# Altium PCB MCU023_MSP-EXP432E401Y.PcbDoc (part 2 of 4)
Units mil, origin at the board's own origin, x right, y up, seen from the top; angles counter-clockwise.
Board outline 2500 x 6850 mil, 4 copper layers (Top Layer, VCC Layer, GND Layer, Bottom Layer), stack 62.434 mil thick; 203 components, 183 nets, 939 pads, 602 vias.
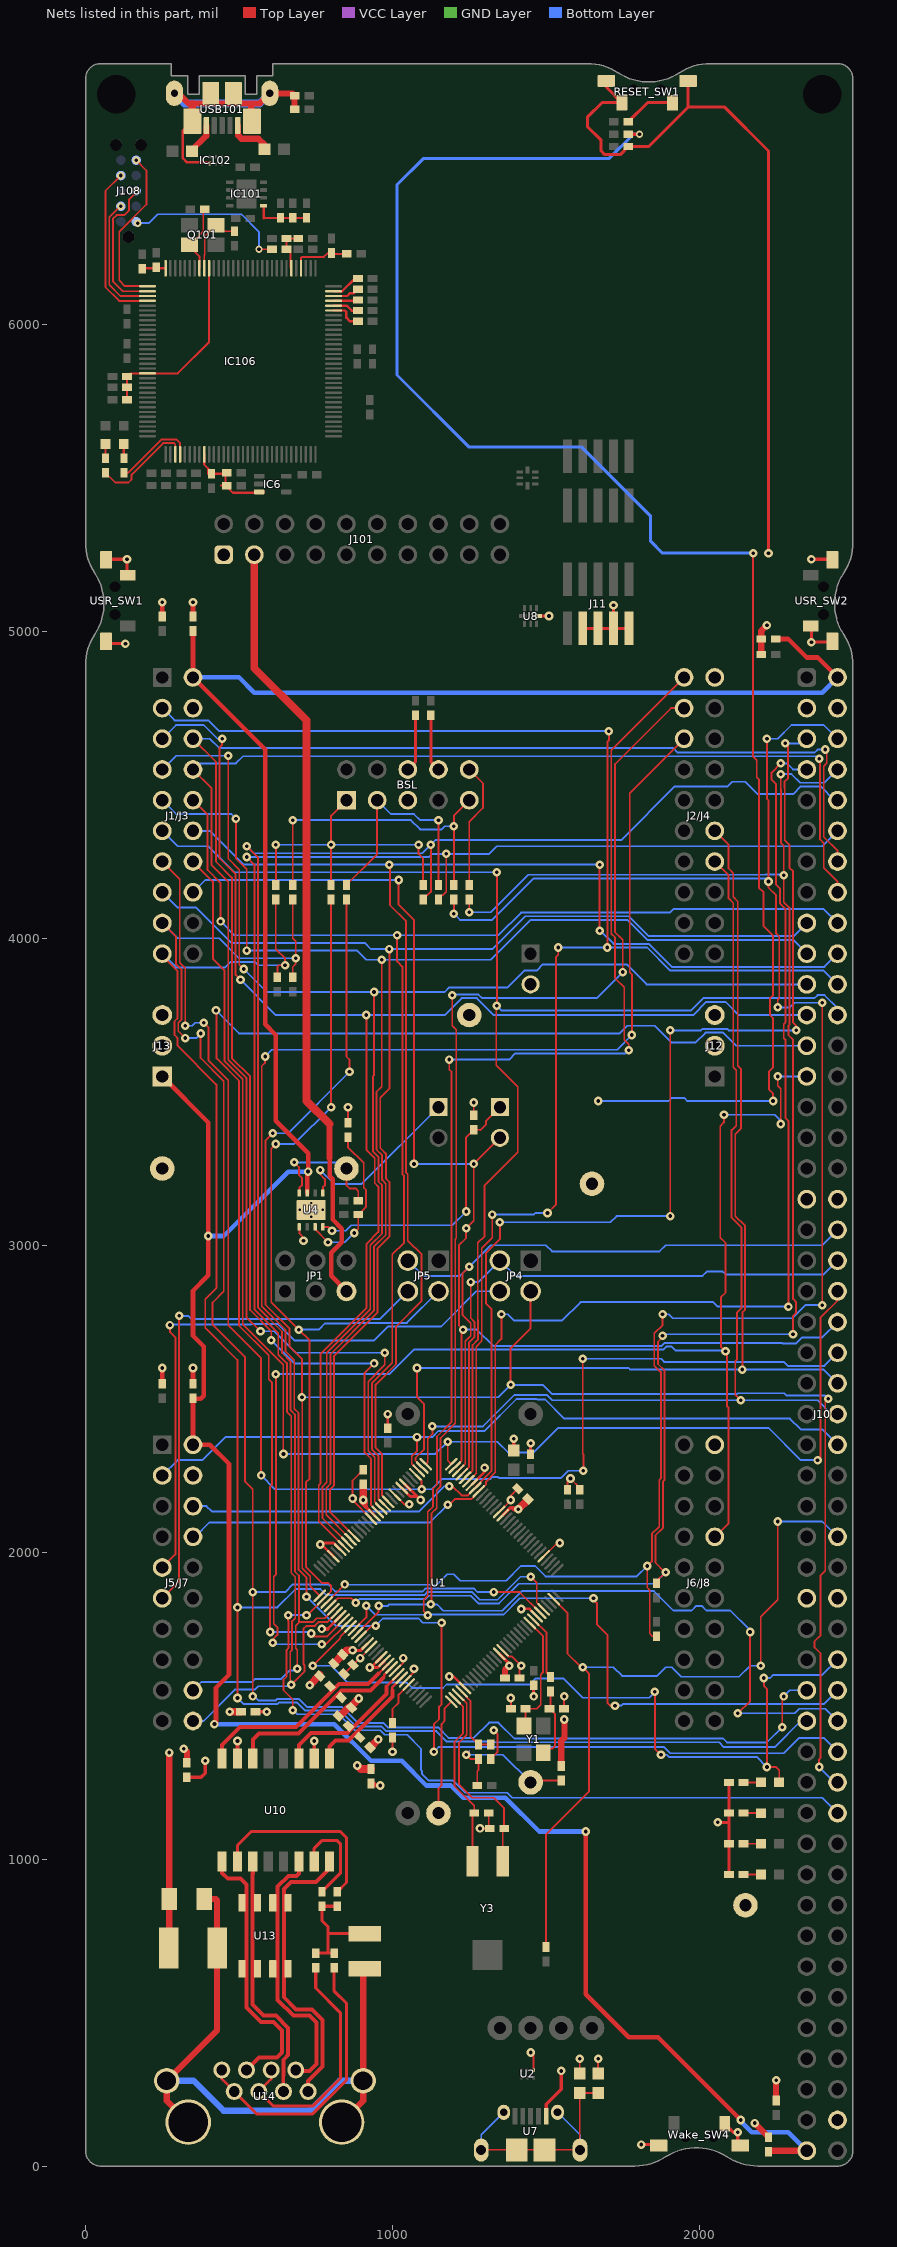
[diagram p4: the nets of this part, all layers, seen from the top]

## Via types
v1: diameter 28, hole 12, Top Layer to Bottom Layer, 442 vias
v2: diameter 24, hole 12, Top Layer to Bottom Layer, 86 vias
v3: diameter 28/28/28/28 (per signal layer), hole 12, Top Layer to Bottom Layer, 66 vias
v4: diameter 19.68, hole 7.87, Top Layer to Bottom Layer, 8 vias

## Nets (pads, with @x,y where several pads share a name; then routed paths per layer and width w, separated by ;. In a path a pad name is that pad's centre, name@x,y a point inside that pad or via, vN(x,y) a via of type N, cw(c..) or ccw(c..) an arc to the next point about the centre after c; other vN are vias at no path point) (continued)
+5V: C24.2 C26.2 C28.2 C30.2 J1/J3.21 J5/J7.21 J10.2 J10.97 J13.1 U4.7 | length 10078.3
  Top Layer w15: J13.1@250,3550 400,3400 v1(400,3030) 400,2902 350,2852 350,2705 385,2670 385,2510 375,2500 351.38,2500 C24.2@350,2501.38 J5/J7.21@350,2350 405,2350 467.5,2287.5 467.5,1600.28 425,1557.78 425,1516.39 425,1445 v1(420,1440) ; C26.2@350,5001.38 J1/J3.21@350,4850 585,4615.01 585,3720 620,3685 620,3405 725,3300 v1(725,3240) 722.2,3237.2 U4.7@722.2,3170.12 ; v1(1630,1090) 1630,560 1770,420 1865,420 v1(2135,150) ; C28.2@2248.62,4975 2290,4975 2350,4915 2385,4915 J10.2@2450,4850
  Top Layer w20: C30.2@2225,46.38 2228.62,50 J10.97@2350,50
  Bottom Layer w15: J1/J3.21@350,4850 500,4850 550,4800 2400,4800 J10.2@2450,4850 ; v1(400,3030) 450,3030 660,3240 v1(725,3240) ; v1(420,1440) 420.73,1439.27 810.73,1439.27 930,1320 1030,1320 1110,1240 1190,1240 1230,1200 1367.56,1200 1477.56,1090 v1(1630,1090) ; v1(2135,150) 2135,146.11 2171.11,110 2290,110 J10.97@2350,50
BP2_5: J5/J7.5 JP4.4 | length 1979.7
  Top Layer w6: J5/J7.5@250,1950 293,1993 293,2700 275,2718 v1(275,2740)
  Bottom Layer w6: v1(275,2740) 276.97,2741.97 540,2741.97 541.03,2743 627,2743 680,2690 940,2690 985,2735 1158.03,2735 1273.03,2850 JP4.4@1350,2850
BP2_6: J5/J7.6 JP5.4 | length 1729.2
  Top Layer w6: J5/J7.6@250,1850 305,1905 v1(305,2770)
  Bottom Layer w6: v1(305,2770) 335,2770 345,2760 960,2760 JP5.4@1050,2850
BSL_P1: BSL.1 R5.1 R7.1 R9.1 | length 1031.1
  Top Layer w6: R7.1@619.81,4173.62 620,4173.81 v1(620,4305) ; R5.1@800,4173.62 v1(800,4305) 800,4400 BSL.1@850,4450 ; v1(1085,4305) 1085,4275 1100,4260 R9.1@1100,4173.62
  Bottom Layer w6: v1(620,4305) v1(800,4305) v1(1085,4305)
BSL_P3: BSL.3 R6.1 R10.1 | length 756.1
  Top Layer w6: R6.1@850,4173.62 950,4273.62 BSL.3@950,4450 ; R10.1@1150,4173.62 v1(1150,4385)
  Bottom Layer w6: BSL.3@950,4450 995,4405 1070,4405 1090,4385 v1(1150,4385)
BSL_P9: BSL.9 R8.1 R11.1 | length 1050
  Top Layer w6: R8.1@675,4173.62 v1(675,4385) ; R11.1@1200,4173.62 v1(1200,4365) 1200,4400 BSL.9@1250,4450
  Bottom Layer w6: v1(675,4385) 1060,4385 1090,4355 1160,4355 1170,4365 v1(1200,4365)
BSL_P10: BSL.10 R12.1 | length 413.7
  Top Layer w6: R12.1@1250,4173.62 1250,4380 1295,4425 1295,4505 BSL.10@1250,4550
DEBUG_VBUS: J101.3 JP1.5 | length 2553.3
  Top Layer w15: 795,3285 795,3225 805,3215 805,3083.89 835,3053.89 835,3010 800,2975 800,2900 JP1.5@850,2850
  Top Layer w20: 795,3285 795,3395
  Top Layer w25: J101.3@550,5250 550,4880 720,4710 720,3470 795,3395
EN0RXI_N: R21.1 U1.53 U10.8 | length 694.7
  Top Layer w8: 955.22,1605 U1.53@985.75,1635.53 U1.53@985.53,1635.53
  Top Layer w13: U10.8@445,1327.52 445,1372.48 502.52,1430 685.86,1430 825.86,1570 920,1570 955,1605
EN0RXI_P: R22.1 U1.54 U10.6 | length 614.7
  Top Layer w8: 969.14,1591.04 972.5,1594.39 972.5,1600.01 U1.54@996.89,1624.4
  Top Layer w13: U10.6@545,1327.52 545,1390 565,1410 694.14,1410 834.14,1550 928.28,1550 969.14,1590.86
EN0TXO_N: R23.1 U1.56 U10.3 | length 478.7
  Top Layer w8: 980,1562.97 U1.56@1019.16,1602.12
  Top Layer w13: U10.3@695,1327.52 695,1372.48 734.19,1411.67 853.38,1411.67 980,1538.28 980,1562.97
EN0TXO_P: R24.1 U1.57 U10.1 | length 385.2
  Top Layer w8: 1000,1550 1000,1560.7 U1.57@1030.29,1590.99
  Top Layer w13: U10.1@795,1327.52 795,1366.5 815,1386.5 856.5,1386.5 1000,1530 1000,1550
EPHYRX_N: U10.9 U13.4 U13.5 U14.6 | length 890.2
  Top Layer w13: U10.9@445,992.48 445,955 463.32,936.68 504.69,936.68 524.37,917 524.37,517.35 571.72,470 611.72,470 640,441.72 640,370 623.05,353.05 564.43,353.05 U14.6@524.37,312.99
EPHYRX_P: U10.11 U13.3 U13.6 U14.3 | length 828.5
  Top Layer w13: U10.11@545,992.48 545,953.5 544.37,952.87 544.37,525.63 580,490 620,490 660,450 660,361.72 644.14,345.86 644.74,345.26 644.74,296.4 644.14,295.8 644.14,243.61 U14.3@644.84,242.91
EPHYTX_N: U10.14 U13.2 U13.7 U14.2 | length 865
  Top Layer w13: U14.2@685,312.99 687.99,310 730,310 752.5,332.5 752.5,467.5 730,490 677.72,490 626,541.72 626,910.28 660.72,945 687,945 695,953 U10.14@695,992.48
EPHYTX_P: U10.16 U13.1 U13.8 U14.1 | length 962
  Top Layer w13: U14.1@725.16,242.91 725.16,276.87 772.5,324.22 772.5,475.78 738.28,510 686,510 646,550 646,902 669,925 751,925 795,969 U10.16@795,992.48
GND: BSL.5 C3.1 C4.1 C14.2 C15.2 C16.1 C17.1 C18.2 C22.2 C23.1 C24.1 C25.1 C26.1 C27.1 C28.1 C29.1 C30.1 C31.2 C32.2 C40.1 C41.1 C42.1 C43.1 C44.2 C45.2 C46.1 C47.2 C48.2 J1/J3.22 J2/J4.20 J5/J7.22 J6/J8.20 J10.3 J10.4 J10.35 J10.36 J10.61 J10.62 J10.96 J11.3 J11.5 J11.7 J11.9 J12.2 J12.3 J13.2 J13.3 J101.1 R25.2 R26.1 R27.1 R30.1 R31.1 R33.1 R47.1 R50.1 R52.1 RESET_SW1.1 RESET_SW1.2 RESET_SW1.4 TP14.1 TP15.1 TP16.1 TP17.1 U1.10 U1.17 U1.48 U1.55 U1.58 U1.80 U1.114 U2.4 U4.1 U4.9 U7.5 U8.4 USR_SW1.1 USR_SW1.2 USR_SW1.3 USR_SW2.1 USR_SW2.2 USR_SW2.3 Wake_SW4.1 Wake_SW4.2 Wake_SW4.4 | length 6352.5
  Top Layer w6: U4.1@696.61,3059.88 696.61,3038.39 715,3020 v1(710,3015) ; C16.1@841.7,1603.3 843.3,1603.3 930.07,1690.07 U1.48@930.07,1691.21 ; R26.1@855,3398.62 v1(855,3450) ; C42.1@905,2268.62 870,2233.62 v1(870,2175) 870,2168.86 U1.17@930.07,2108.79 ; v1(1000,1350) R25.2@1000,1396.38 ; U1.55@1008.02,1613.26 1035,1640.24 v1(1035,1655) ; U1.10@1008.02,2186.74 1038.99,2155.77 v1(1055,2155.77) ; U1.58@1041.43,1579.85 1070,1608.42 v1(1070,1620) ; R50.1@1265,3423.62 v1(1265,3465) ; v1@1280,1100 v1(1285,1100) C47.2@1316.38,1100 1313.62,1102.76 C48.2@1313.62,1150 ; C3.1@1320,1326.38 1341.65,1348.03 1341.65,1408.35 v1(1330,1420) ; U1.114@1347.66,2131.06 1385,2168.41 1385,2183.41 C43.1@1408.3,2206.7 ; U1.80@1358.79,1680.07 1378.86,1660 1390,1660 v1(1420,1630) 1416.38,1626.38 1413.62,1626.38 C40.1@1413.62,1590 ; v1(1385,1525) 1385,1515 1386.38,1513.62 C44.2@1386.38,1490 ; v1(1450,370) 1459.69,360.31 U2.4@1459.69,311.81 ; C45.2@1558.62,1490 1558.62,1528.62 v1(1560,1530) ; C32.2@1610,301.5 v1(1610,350) ; R52.1@1670,301.5 v1(1670,350)
  Top Layer w10: USR_SW1.2@66.69,4967.13 73.82,4960 v1(130,4960) ; USR_SW1.1@66.69,5232.87 68.82,5235 v1(135,5235) 135,5185.24 USR_SW1.3@137.56,5182.68 ; C15.2@1395,2331.5 v1(1395,2370) ; C14.2@1450,2318.62 v1(1450,2355) ; v1(1460,1530) C4.1@1460,1566.38 ; U8.4@1475.59,5050 v3(1510,5050) ; J11.3@1620,5009.88 J11.5@1670,5009.88 J11.7@1720,5009.88 ; RESET_SW1.2@1697.13,6793.31 1697.13,6772.64 RESET_SW1.4@1747.32,6722.44 1682.44,6722.44 1635,6675 1635,6645 1680,6600 1680,6565 1691.81,6553.19 1741.81,6553.19 C46.1@1768.62,6580 1835,6580 1962.87,6707.87 ; v3(1720,5085) J11.7@1720,5009.88 ; J11.9@1770,5009.88 J11.7@1720,5009.88 ; v1(1810,70) 1863.82,70 Wake_SW4.1@1867.13,66.69 ; RESET_SW1.1@1962.87,6793.31 1962.87,6707.87 ; v1(2060,1120) 2096.38,1120 ; Wake_SW4.4@2082.68,137.56 2110.24,110 v1(2125,110) 2125,74.57 Wake_SW4.2@2132.87,66.69 ; R33.1@2096.38,950 R27.1@2096.38,1050 2096.38,1120 ; R30.1@2096.38,1250 R31.1@2096.38,1150 2096.38,1120 ; v1(2225,5255) 2225,6565 2082.13,6707.87 1962.87,6707.87 ; USR_SW2.3@2362.44,5017.32 2365,5014.76 v1(2365,4965) 2431.18,4965 USR_SW2.1@2433.31,4967.13 ; v1(2365,5235) 2431.18,5235 USR_SW2.2@2433.31,5232.87
  Top Layer w12: C17.1@553.62,1480 v1(590,1480) ; C18.2@940,1246.38 946.38,1240 v1(960,1240) ; U7.5@1501.18,162.4 1501.18,201.18 1550,250 v1(1550,310)
  Top Layer w15: C23.1@250,2548.62 v1(250,2600) ; C25.1@250,5048.62 v1(250,5095) ; C24.1@350,2548.62 v1(350,2600) ; C26.1@350,5048.62 v1(350,5095)
  Top Layer w20: C31.2@271.26,710 272.91,711.65 R47.1@272.91,870 v1(272.91,1347.09) ; v1(320,1360) 330,1350 C22.2@330,1313.62 ; v1(2180,140) 2225,95 C30.1@2225,93.62 ; C27.1@2201.38,4925 C28.1@2201.38,4975 2201.38,5001.38 v1(2220,5020) ; C29.1@2250,213.62 v1(2250,280)
  other v1: 895,1655 1385,2170
  other v4: 735,3092.36 697.6,3115 772.4,3115 735,3137.64
ITCK: IC106.100 J108.4 | length 539.9
  Top Layer w6: v2(115,6485) 65,6435 65,6120.95 109.1,6076.85 IC106.100@201.85,6076.85
ITDI: IC106.98 J108.8 | length 462.1
  Top Layer w6: v2@165,6430.75 142.13,6407.87 142.13,6372.13 126,6356 101.3,6356 89,6343.7 89,6141 121.66,6108.34 IC106.98@201.85,6108.34
  other v2: 165,6435
ITDO: IC106.97 J108.6 | length 540.8
  Top Layer w6: v2(165,6535) 198.61,6501.39 198.61,6391.26 110,6302.65 110,6143.38 128.38,6125 IC106.97@200.95,6125
ITMS: IC106.99 J108.2 | length 412.7
  Top Layer w6: v2(115,6385) 113.33,6385 77,6348.67 77,6128.88 113.28,6092.6 IC106.99@201.85,6092.6
MCU_3V3: C16.2 C17.2 C18.1 C22.1 C40.2 C41.2 C42.2 C43.2 JP2.2 R1.2 R2.2 R21.2 R22.2 R23.2 R24.2 R39.1 R41.1 R44.2 U1.7 U1.8 U1.16 U1.26 U1.28 U1.39 U1.47 U1.51 U1.52 U1.69 U1.79 U1.90 U1.101 U1.113 U1.122 U10.2 U10.7 | length 7354.5
  Top Layer w6: v1@768.88,2025 v1(765,2025) 770,2025 v1@775,2030 ; v1(870,1680) 870,1690 v1@880,1680 ; v1(925.68,1624.33) v1@930.01,1624.33 ; v1(1380,1630) v1@1380,1636.59 ; C43.2@1441.7,2171.7 C43.2@1441.7,2173.3 ; U1.101@1492.42,1986.3 1536.12,2030 v1(1545,2030) ; R1.2@1570,2203.62 1570,2230 v1(1580,2240) 1610,2210 R2.2@1610,2203.62 ; v1(2175,5255) 2175,4591.97 2187,4579.97 2187,4525 2194,4518 2194,4164.94 2209,4149.94 2209,4040 2240,4009 2240,3815 2230,3805 2230,3750 2240,3740 2240,3580 2227,3567 2227,3507 2240,3494 v1(2240,3470)
  Top Layer w8: R41.1@985,2403.62 v1(985,2450) ; U1.122@1258.57,2220.15 1300,2261.58 v1(1300,2275) ; v1(1420,1815) 1446.58,1815 U1.90@1470.15,1791.43
  Top Layer w10: v1@768.88,2025 U1.28@807.58,1986.3 ; v1@775,2030 808.42,2030 U1.26@829.85,2008.57 ; 788.42,1750 U1.39@829.85,1791.43 ; v1@880,1680 896.59,1680 U1.47@918.94,1702.34 ; 912.97,2148.17 U1.16@941.21,2119.93 ; U1.51@963.48,1657.8 930.01,1624.33 952.28,1624.33 U1.52@974.62,1646.67 ; U1.8@1030.29,2209.01 1058.13,2181.17 1080.4,2181.17 ; U1.7@1041.43,2220.15 1080.4,2181.17 ; v1@1095,2166.58 1080.4,2181.17 ; v1(1185,1595) 1198.88,1595 U1.69@1236.3,1557.58 ; U1.79@1347.66,1668.94 v1@1380,1636.59 ; U1.113@1358.79,2119.93 1383.86,2145 1390,2145
  Top Layer w12: C22.1@330,1266.38 376.38,1266.38 390,1280 v1(390,1320) ; U10.7@495,1327.52 v1(495,1385) ; U10.2@745,1327.52 v1(745,1385) ; v1(770,1750) 788.42,1750 ; R22.2@863.41,1493.3 R22.2@866.7,1496.59 ; R44.2@1768.62,6620 v2(1805,6620)
  Top Layer w15: v1@908.5,2160.77 908.5,2153.7 913.5,2148.7 ; 1394.28,2142.5 1396.78,2140 v1(1410,2140)
  Top Layer w20: C40.2@1366.38,1590 1366.38,1616.38 v1(1380,1630) ; R39.1@1550,1303.62 1550,1385 1560,1395 v1(1560,1455)
  Top Layer w25: v1(470,1480) C17.2@506.38,1480 ; v1(730,1566.7) R21.2@763.3,1600 ; C16.2@808.3,1636.7 C41.2@838.3,1666.7 851.59,1680 v1(870,1680) ; R23.2@823.3,1466.7 830,1466.7 856.59,1493.3 863.41,1493.3 R22.2@866.7,1493.3 866.7,1496.59 866.7,1500 v1(890,1523.3) ; v1(885,1305) 896.38,1293.62 C18.1@930,1293.62 ; C42.2@905,2221.38 905,2164.27 v1@908.5,2160.77 ; R24.2@926.7,1363.3 v1(953.41,1390) ; v1(1410,2140) C43.2@1441.7,2171.7
  GND Layer w8.66: v1@921.35,1620 v1(925.68,1624.33)
  Bottom Layer w6: v1(1670,3470) 1900,3470 1910,3480 1950,3480 1960,3470 v1(2240,3470)
  Bottom Layer w10: v2(1805,6620) 1785,6620 1705,6540 1100,6540 1015,6455 1015,5835 1250,5600 1617,5600 1840,5377 1840,5295 1880,5255 v1(2175,5255)
  other v1: 905,2170 1091.58,2170
NetBSL_6: BSL.6 R4.1 | length 186.7
  Top Layer w10: BSL.6@1050,4550 1075,4575 R4.1@1075,4726.38
NetBSL_8: BSL.8 R3.1 | length 186.7
  Top Layer w10: R3.1@1125,4726.38 1125,4575 BSL.8@1150,4550
NetC1_1: C1.1 R32.1 R43.1 R45.1 R46.1 | length 388.4
  Top Layer w10: R45.1@750,693.62 789.5,693.62 ; 792.41,757.09 C1.1@910,757.09 ; R46.1@810,693.62 789.5,693.62 ; R43.1@820,846.38 R32.1@770,846.38 770,800 789.5,780.5 789.5,693.62
NetC1_2: C1.2 C31.1 R47.2 U14.9 U14.10 U14.11 U14.12 | length 2108.3
  Top Layer w20: U14.12@334.61,142.91 264.53,212.99 U14.10@264.53,277.95 428.74,442.17 C31.1@428.74,710 428.74,865.75 424.49,870 R47.2@387.09,870 ; U14.11@834.61,142.91 904.68,212.99 U14.9@904.68,277.95 C1.2@904.68,637.6
  Bottom Layer w20: U14.10@264.53,277.95 352.05,277.95 450,180 730,180 827.95,277.95 U14.9@904.68,277.95
NetC3_2: C3.2 R38.1 U1.68 | length 235.5
  Top Layer w6: U1.68@1225.16,1546.45 1225.16,1544.84 1254,1516 1254,1399.62 R38.1@1280,1373.62 C3.2@1320,1373.62
NetC32_1: C32.1 R52.2 U7.6 U7.7 U7.8 U7.9 U7.10 U7.11 | length 872.2
  Top Layer w6: U7.8@1290,53.09 1610,53.09 C32.1@1610,238.5 R52.2@1670,238.5
  Bottom Layer w6: U7.8@1289.07,52.17 1289.07,101.87 U7.10@1362.4,175.2 ; U7.11@1537.6,175.2 1610.93,101.87 U7.9@1610.93,52.17
NetC44_1: C44.1 U1.88 Y1.3 | length 400.1
  Top Layer w6: Y1.3@1428.5,1433.31 1433.62,1438.43 C44.1@1433.62,1490 1470,1490 1483,1503 1483,1601.35 1490,1608.35 1490,1727.03 U1.88@1447.88,1769.16
NetC45_1: C45.1 R49.2 Y1.1 | length 233.7
  Top Layer w6: Y1.1@1491.5,1346.69 1504.8,1360 1520,1360 1530,1370 1530,1471.38 C45.1@1511.38,1490 1515,1493.62 R49.2@1515,1546.38
NetC47_1: C47.1 U1.67 Y3.2 | length 661.7
  Top Layer w6: U1.67@1214.03,1535.31 1242,1507.34 1242,1405.03 1217,1380.03 1217,1243 1260,1200 1330,1200 1363.62,1166.38 C47.1@1363.62,1100 ; Y3.2@1359.21,992.87 C47.1@1359.21,1095.59
NetC48_1: C48.1 U1.66 Y3.1 | length 575.2
  Top Layer w6: U1.66@1202.89,1524.18 1230,1497.07 1230,1410 1202,1382 1202,1238 1266.38,1173.62 C48.1@1266.38,1150 ; Y3.1@1260.79,992.87 C48.1@1260.79,1144.41
NetC102_1: C102.1 IC102.1 R132.2 USB101.6 USB101.7 USB101.8 USB101.9 USB101.10 USB101.11 | length 1147.3
  Top Layer w8: USB101.11@348.05,6662.36 317,6631.31 317,6588.22 316.81,6588.03 316.81,6542.16 330.97,6528 405.32,6528 IC102.1@405.32,6524.17
  Top Layer w20: USB101.10@289.49,6752.91 302.09,6752.91 335,6720 540,6720 ; USB101.6@540,6664.31 540,6720 ; R132.2@681.38,6701.1 C102.1@681.38,6745 673.46,6752.91 USB101.7@600.51,6752.91 567.6,6720 540,6720
  Top Layer w25: USB101.11@348.05,6662.36 348.05,6718.05
  Bottom Layer w25: USB101.10@289.49,6752.91 322.4,6720 567.6,6720 USB101.7@600.51,6752.91
NetC132_1: C132.1 C150.1 IC6.3 IC106.9 R118.1 | length 275.7
  Top Layer w7: IC106.9@386.89,5576.85 386.89,5543.11 400,5530 R118.1@400,5513.62 ; R118.1@410,5513.62 C132.1@455.5,5513.62 ; 441.38,5475 C150.1@444.98,5475 ; C150.1@455.5,5474.09 457.72,5474.09 480,5451.81 IC6.3@563.11,5451.81 ; C150.1@455.5,5476.94 C132.1@455.5,5513.62 ; C132.1@456.31,5513.62 C132.1@455.5,5513.62 ; IC6.3@578.12,5451.81 IC6.3@580.71,5454.41
NetC133_1: C133.1 IC106.88 Q101.1 | length 225.4
  Top Layer w6: IC106.88@386.89,6183.15 386.89,6225.75 388.44,6227.3 388.44,6287.35 Q101.1@422.04,6320.95 ; Q101.1@424.08,6322.99 Q101.1@422.04,6320.95 ; C133.1@485,6303.62 439.37,6303.62 Q101.1@422.04,6320.95
NetC134_1: C134.1 IC106.89 Q101.3 | length 227.6
  Top Layer w6: Q101.3@333.39,6260 371.14,6222.24 IC106.89@371.14,6183.15 ; Q101.3@340,6260 383.44,6303.44 383.44,6369.82 C134.1@388.62,6375
NetC143_1: C143.1 C144.1 C145.1 IC106.87 IC106.115 | length 629.8
  Top Layer w6: IC106.115@201.85,5840.63 300.63,5840.63
  Top Layer w7: C145.1@135,5755 C144.1@135,5795 C143.1@135,5830 145.63,5840.63 IC106.115@201.85,5840.63 ; 300.63,5840.63 402.64,5942.64 IC106.87@402.64,6183.15
NetC146_1: C146.1 IC106.68 R131.1 | length 173.3
  Top Layer w6: IC106.68@701.85,6183.15 701.85,6216.58 704.98,6219.71 775,6220 776.41,6220 788.98,6232.57 ; C146.1@803.76,6230 R131.1@850,6230
NetC147_2: C147.2 IC101.5 R133.1 R134.2 | length 178.7
  Top Layer w6: 580.12,6346.61 R133.1@718.86,6346.61
  Top Layer w8: 580.12,6346.61 IC101.5@580.12,6386.61
NetC159_1: C159.1 IC106.96 R166.2 | length 74.1
  Top Layer w7: R166.2@186.77,6183.15 IC106.96@260.91,6183.15
NetD1_2: D1.2 R33.2 | length 56.9
  Top Layer w6: R33.2@2143.62,950 D1.2@2200.47,950
NetD2_2: D2.2 R27.2 | length 56.9
  Top Layer w6: R27.2@2143.62,1050 D2.2@2200.47,1050
NetD3_2: D3.2 R31.2 | length 56.9
  Top Layer w6: R31.2@2143.62,1150 D3.2@2200.47,1150
NetD4_2: D4.2 R30.2 | length 56.9
  Top Layer w6: R30.2@2143.62,1250 D4.2@2200.47,1250
NetIC106_3: IC106.3 R123.2 | length 337.1
  Top Layer w6: R123.2@65,5516.85 96.85,5485 140,5485 150,5495 150,5510.74 252.67,5613.41 288.26,5613.41 292.4,5609.26 IC106.3@292.4,5576.85
NetIC106_4: IC106.4 R125.2 | length 269.7
  Top Layer w6: R125.2@125,5516.85 139.14,5516.85 247.69,5625.41 296.24,5625.41 308.15,5613.5 IC106.4@308.15,5576.85
NetIC106_59: IC106.59 R128.2 | length 104.7
  Top Layer w8: IC106.59@808.15,6045.35 844.65,6045.35 850,6040 850,6022.17 862.17,6010 R128.2@887.76,6010
NetIC106_60: IC106.60 R111.1 | length 86.3
  Top Layer w8: IC106.60@808.15,6061.1 851.06,6061.1 867.17,6045 R111.1@887.76,6045
NetIC106_61: IC106.61 R110.1 | length 76.5
  Top Layer w8: IC106.61@808.15,6076.85 R110.1@884.6,6076.85
NetIC106_62: IC106.62 R109.1 | length 88.9
  Top Layer w8: IC106.62@808.15,6092.6 852.79,6092.6 862.01,6101.81 874.57,6101.81 R109.1@887.76,6115
NetIC106_63: IC106.63 R108.1 | length 87
  Top Layer w8: IC106.63@808.15,6108.34 836.22,6108.34 R108.1@877.88,6150
NetIC106_70: IC106.70 R117.1 R120.2 R121.2 | length 141
  Top Layer w6: IC106.70@670.36,6183.15 668.01,6185.5 668.01,6231.99 R120.2@655,6245 R121.2@655,6280 R117.1@692.76,6280
NetJ108_10: J108.10 R120.1 | length 532.3
  Top Layer w6: v2(565,6245) R120.1@607.76,6245
  Bottom Layer w6: J108.10@170,6328.76 v2(170,6330) 206.2,6330 235.2,6359 508.57,6359 508.19,6358.62 565,6301.81 v2(565,6245)
NetJP6_1: JP6.1 U4.5 | length 591
  Top Layer w6: v1(765,3245) 765,3230.53 780,3215.53 780,3195 773.39,3188.39 U4.5@773.39,3170.12
  Bottom Layer w6: v1(765,3245) 810,3200 900,3200 JP6.1@1150,3450
NetJP7_1: JP7.1 R50.2 U4.4 | length 897.5
  Top Layer w6: U4.4@773.39,3059.88 790.12,3059.88 v1(802.91,3047.09) ; v1(1240,3110) 1240,3351.38 R50.2@1265,3376.38 1284.12,3376.38 1285.5,3375 1305,3394.5 1305,3405 JP7.1@1350,3450
  Bottom Layer w6: v1(802.91,3047.09) 847.09,3047.09 865,3065 1195,3065 v1(1240,3110)
NetLED101_1: LED101.1 R125.1 | length 46.4
  Top Layer w8: R125.1@125,5564.09 LED101.1@125,5610.47
NetLED102_1: LED102.1 R123.1 | length 46.4
  Top Layer w8: R123.1@65,5564.09 LED102.1@65,5610.47
NetR25_1: R25.1 U1.59 | length 146.9
  Top Layer w6: R25.1@1000,1443.62 1000,1490 1020,1510 1020,1536.15 U1.59@1052.56,1568.72
NetR26_2: R26.2 R35.1 U4.3 | length 516.9
  Top Layer w6: U4.3@747.8,3059.88 747.8,3052.2 v1(790,3010) ; R26.2@855,3351.38 855,3320 906.38,3268.62 906.38,3187.83 914.21,3180 914.21,3125.59 R35.1@888.62,3100 888.62,3053.62 v1(875,3040)
  Bottom Layer w6: v1(790,3010) 845,3010 v1(875,3040)
NetR32_2: R32.2 U10.15 | length 323.2
  Top Layer w10: U10.15@745,992.48 745,1035 770,1060 820,1060 830,1050 830,953.62 R32.2@770,893.62
NetR36_1: R36.1 TP8.1 U4.8 | length 424.7
  Top Layer w6: v1(680,3270) 695,3255 695,3230 705,3220 705,3195 696.61,3186.61 U4.8@696.61,3170.12 ; TP8.1@850,3250 850,3195 860,3185 880,3185 888.62,3176.38 R36.1@888.62,3145
  Bottom Layer w6: v1(680,3270) 830,3270 TP8.1@850,3250
NetR38_2: R38.2 R39.2 R42.2 TP11.1 | length 511.6
  Top Layer w6: v1@1250,1344.76 1245.24,1340 v1(1240,1340) 1253.62,1326.38 R38.2@1280,1326.38 1280,1290 1276.38,1286.38 R42.2@1276.38,1240 ; TP11.1@1450,1250 1456.38,1256.38 R39.2@1550,1256.38
  VCC Layer w6: v1(1240,1340) 1240,1342 1250,1352
  Bottom Layer w6: v1(1240,1340) 1360,1340 TP11.1@1450,1250
NetR43_2: R43.2 U10.10 | length 623.2
  Top Layer w10: U10.10@495,992.48 495,1045 540,1090 830,1090 850,1070 850,923.62 R43.2@820,893.62
NetR45_2: R45.2 U14.4 U14.5 | length 803.8
  Top Layer w8.66: U14.5@564.53,242.91 604.68,283.07 U14.4@604.68,312.99
  Top Layer w10: U14.5@564.53,242.91 612.44,195 740,195 830,285 830,500 750,580 R45.2@750,646.38
NetR46_2: R46.2 U14.7 U14.8 | length 911.2
  Top Layer w8.66: U14.8@444.06,312.99 444.06,283.07 U14.7@484.21,242.91
  Top Layer w10: U14.7@484.21,242.91 557.13,170 740,170 850,280 850,530 810,570 R46.2@810,646.38
NetR49_1: R49.1 U1.89 | length 209.9
  Top Layer w6: U1.89@1459.01,1780.29 1502,1737.3 1502,1606.62 R49.1@1515,1593.62
NetR51_1: R51.1 RESET_SW1.3 | length 169.9
  Top Layer w10: R51.1@1768.62,6660 1831.06,6722.44 RESET_SW1.3@1912.68,6722.44
NetR101_1: R101.1 USB101.5 | length 132.2
  Top Layer w20: USB101.5@496.18,6648.19 496.91,6647.46 496.91,6615.59 507.48,6605.02 563.48,6605.02 R101.1@583.5,6585
NetR102_1: R102.1 USB101.1 | length 105.8
  Top Layer w20: R102.1@343.05,6565 390.92,6613.42 393.82,6613.42 USB101.1@393.82,6648.19
NetTP9_1: TP9.1 U1.65 | length 380.3
  Top Layer w6: TP9.1@1150,1150 1150,1230 1160,1240 1160,1440 1169.36,1449.36 1169.36,1490.64 U1.65@1191.76,1513.04
PA0: J10.74 JP4.2 R6.2 U1.33 | length 5882.7
  Top Layer w6: v1(610,3365) 586,3341 586,2806.88 664,2728.88 664,2671 705,2630 705,2510 706,2509 706,1947.03 732,1921.03 732,1889.28 U1.33@763.04,1858.24 ; R6.2@850,4126.38 850,3615 860,3605 v1(860,3565) ; v1(1385,2545) 1385,2665 1450,2730 JP4.2@1450,2850 ; v1(2390,1300) 2390,1325 2395,1330 2395,1670 2375,1690 2375,1710 2395,1730 2395,1925 2410,1940 2410,2490 v1(2420,2500) ; J10.74@2440,1250 J10.74@2450,1250
  Bottom Layer w6: v1(610,3365) 660,3365 v1(860,3565) ; v1(705,2505) 1345,2505 v1(1385,2545) 1490,2545 1520,2515 2122.47,2515 2125.47,2518 2277,2518 2285,2510 2410,2510 v1(2420,2500) ; v1(2390,1300) J10.74@2440,1250
PA1: J10.76 JP5.2 R5.2 U1.34 | length 5443.4
  Top Layer w6: v1(620,3330) 605,3315 605,2815 v1(695,2725) 730,2690 730,2239.7 718,2227.7 718,1952 770,1900 790,1900 800,1890 800,1872.93 U1.34@774.18,1847.11 722.07,1795 v1(720,1795) ; v1(660,1795) 660,1776.91 661,1775.91 661,1687.06 655,1681.06 655,1595 645,1585 645,1550 675,1520 v1(675,1485) ; v1(800,3450) R5.2@800,4126.38
  Bottom Layer w6: v1(620,3330) 680,3330 v1(800,3450) ; v1(660,1795) v1(720,1795) ; v1(675,1485) 675,1480 682,1480 690,1472 824.97,1472 876.97,1420 960,1420 975,1405 1047.53,1405 1093,1359.53 1093,1290.41 1096.33,1287.07 1096.33,1277 1116.83,1256.5 1196.83,1256.5 1236.83,1216.5 1374.39,1216.5 1390.89,1200 2400,1200 J10.76@2450,1150 ; v1(695,2725) 760,2725 780,2745 863.94,2745 865.94,2747 1047,2747 JP5.2@1150,2850
PA2: J10.6 R11.2 R20.2 U1.35 | length 6228.3
  Top Layer w6: U1.35@785.31,1835.97 829.34,1880 ; 830,1880 829.34,1880 ; v1(845,1895) 844.34,1895 829.34,1880 ; v1(1200,4080) R11.2@1200,4126.38 ; R20.2@1860,1726.38 1846.97,1726.38 1838.35,1735 1838.35,1876.65 1830,1885 v1(1830,1955) 1845,1970 1845,2059.5 1869,2083.5 1869,2234.91 1874.49,2240.4 1874.49,2586.57 1853,2608.06 1853,2713 1880,2740 v1(1880,2775) ; v1(2220,4650) 2220,4455 2225,4450 v1(2225,4185) 2225,4165 2250,4140 2250,4015.97 2260,4005.97 2260,3805 2255,3800 v1(2255,3775) ; v1(2400,2805) v1(2400,3790)
  Bottom Layer w6: v1(845,1895) 846,1894 1144,1894 1178,1928 1199.53,1928 1220.53,1907 1370.18,1907 1418.18,1955 1464.5,1955 1498.5,1921 1796,1921 v1(1830,1955) ; v1(1200,4080) 1220,4060 1325,4060 1460,4195 2215,4195 v1(2225,4185) ; v1(1880,2775) 1900,2775 1913,2762 2302,2762 2345,2805 v1(2400,2805) ; v1(2220,4650) 2255,4650 2300,4695 2405,4695 J10.6@2450,4650 ; v1(2255,3775) 2295,3775 2310,3790 v1(2400,3790)
PA3: J10.8 R12.2 R19.2 U1.36 | length 5646.8
  Top Layer w6: U1.36@796.45,1824.84 821.61,1850 865,1850 v1(880,1835) ; v1(1250,4085) R12.2@1250,4126.38 ; R19.2@1860,1898.62 1860,1905 v1(1890,1935) 1887.47,1935 1857,1965.47 1857,2054.53 1881,2078.53 1881,2229.94 1886.49,2235.43 1886.49,2591.54 1865,2613.03 1865,2685 1880,2700 v1(1880,2705) ; v1(2265,4535) 2265,4485.5 2266,4484.5 2266,4310 2275,4301 v1(2275,4205) 2275,4118 2293,4100 2293,3720.03 2294.01,3719.01 2290,3715 2290,3685 2305,3670 2305,2825 2315,2815 2315,2780 2305,2770 v1(2305,2710)
  Bottom Layer w6: v1(880,1835) 893,1848 1108,1848 1118,1858 1255,1858 1280,1833 1347.09,1833 1411.09,1897 1852,1897 v1(1890,1935) ; v1(1250,4085) 1320,4085 1442,4207 2214.47,4207 2215.47,4208 2272,4208 v1(2275,4205) ; v1(1880,2705) 1885,2705 1890,2710 v1(2305,2710) ; v1(2265,4535) 2300,4535 2328,4507 2407,4507 J10.8@2450,4550
PA4: J5/J7.29 J10.10 R9.2 U1.37 | length 5524.8
  Top Layer w6: v1(525,4300) 562,4263 562,2796.94 640,2718.94 640,2648.94 668,2620.94 668,2462.5 682,2448.5 682,1937.09 695,1924.09 695,1770 ; v1(690,1620) 690,1682.06 685,1687.06 685,1760 695,1770 ; U1.37@807.58,1813.7 778.88,1785 753,1785 740,1772 697,1772 695,1770 ; R9.2@1100,4126.38 1125,4151.38 v1(1125,4305)
  Bottom Layer w6: J5/J7.29@350,1550 377,1577 517.53,1577 543.06,1577 553.06,1587 637.5,1587 665.5,1615 690,1615 v1(690,1620) ; v1(525,4300) 548,4277 1097,4277 v1(1125,4305) 1140,4320 1745,4320 1920,4495 2092.5,4495 2107.5,4510 2150,4510 2190,4470 2305,4470 2330,4495 2395,4495 2440,4450 J10.10@2450,4450
PA5: J5/J7.30 J10.12 R10.2 U1.38 | length 5591.1
  Top Layer w6: v1(525,4265) 550,4240 550,2791.97 628,2713.97 628,2643.97 656,2615.97 656,2457.53 670,2443.53 670,1932.12 683,1919.12 683,1785.47 673,1775.47 673,1682.09 667,1676.09 667,1571 v1(670,1568) 670.53,1568 713,1610.47 713,1632 710,1635 710,1750 720,1760 747.47,1760 760.47,1773 789.15,1773 U1.38@818.72,1802.56 ; R10.2@1150,4126.38 1175,4151.38 v1(1175,4275)
  Bottom Layer w6: J5/J7.30@350,1450 385,1450 488,1553 553,1553 563,1563 663,1563 v1@670,1570 ; v1(525,4265) 1120,4265 1130,4275 v1(1175,4275) 1315,4275 1340,4300 2400,4300 J10.12@2450,4350
PA6: J10.25 U1.40 | length 4392.9
  Top Layer w6: v1(425,3765) 427,3763 427,3608.91 500,3535.91 500,2738.03 597,2641.03 597,2563 608,2552 608,2220 601,2213 601,1741 v1(602,1740) ; v1(735,1735) 745,1725 785.7,1725 U1.40@840.99,1780.29
  Bottom Layer w6: v1(425,3765) 500,3690 1740,3690 1765,3715 1855,3715 1910,3660 1987,3660 2020,3693 2077,3693 2120,3650 J10.25@2350,3650 ; v1(602,1740) 730,1740 v1(735,1735)
PA7: J6/J8.17 J10.27 U1.41 | length 4568.3
  Top Layer w6: v1(610,1705) 610,1715.47 625,1730.47 625,1755 613,1767 613,1920 620,1927 v1(620,2580) ; v1(770,1700) 782.97,1700 U1.41@852.12,1769.16 ; J6/J8.17@2050,2050 2095,2095 2095,2470 2090,2475 2090,2640 2080,2650 v1(2085,2655) 2070,2670 2070,2830 2085,2845 2085,3008.03 2068,3025.03 2068,3388 2080,3400 v1(2080,3425) ; v1(2255,3550) 2255,3520 2265,3510 v1(2265,3395)
  Bottom Layer w6: v1(610,1705) 615,1700 v1(770,1700) ; v1(620,2580) 990,2580 1070,2660 1882.47,2660 1892.47,2670 1910,2670 1923,2657 2083,2657 v1(2085,2655) ; v1(2080,3425) 2245,3425 2275,3395 v1(2265,3395) ; v1(2255,3550) J10.27@2350,3550
PB0: J10.58 R18.1 U1.95 | length 2581.2
  Top Layer w6: R18.1@1500,713.62 1500,1080 1640,1220 1640,1605 v1(1620,1625) 1615,1625 1570,1670 1570,1802.93 U1.95@1525.82,1847.11 ; v1(2200,1630) 2200,1790 2255,1845 v1(2255,2100)
  Bottom Layer w6: v1(1620,1625) 1720,1625 1748,1597 1862,1597 1890,1625 1910.03,1625 1941.09,1593.94 2128.94,1593.94 2165,1630 v1(2200,1630) ; v1(2255,2100) 2400,2100 J10.58@2450,2050
PB2: J1/J3.9 J10.67 R8.2 R14.1 U1.91 | length 6511.8
  Top Layer w6: J1/J3.9@250,4050 295,4005 295,3915.03 313,3897.03 313,3736 302,3725 302,3698 v1(325,3675) ; v1(375,3690) 375,3610 450.5,3534.5 450.5,2850.06 414,2813.56 414,2741 520,2635 520,2230 545,2205 v1(545,1870) 550,1865 545,1860 v1(545,1530) ; R14.1@675,3873.62 675,3906.46 685,3916.46 v1(685,3935) 685,3990 675,4000 R8.2@675,4126.38 ; v1(1330,1870) 1413.85,1870 U1.91@1481.28,1802.56 ; v1(2270,1430) 2270,1525 v1(2275,1530)
  Bottom Layer w6: J1/J3.9@250,4050 300,4000 435,4000 500,3935 v1(685,3935) ; v1(325,3675) 360,3675 v1(375,3690) ; v1(545,1530) 550,1530 563,1517 620.03,1517 625.03,1522 694.97,1522 720.97,1496 834.91,1496 886.91,1444 969.94,1444 984.94,1429 1148.47,1429 1182.47,1395 1265,1395 1315,1445 1345,1445 1397,1393 2077,1393 2090,1380 2220,1380 v1(2270,1430) ; v1(545,1870) 650,1870 675,1895 790,1895 813,1872 1098.06,1872 1108.06,1882 1264.94,1882 1276.94,1870 v1(1330,1870) ; v1(2275,1530) 2295,1550 J10.67@2350,1550
PB3: J1/J3.10 J10.69 R7.2 R13.1 U1.92 | length 6401.4
  Top Layer w6: J1/J3.10@250,3950 250,3943.06 300,3893.06 300,3740 291.48,3731.48 ; 291.48,3731.45 290,3729.97 290,3685 300,3675 300,3650 426.5,3523.5 426.5,2860 390,2823.5 390,2731.06 495,2626.06 v1(495,1820) v1(495,1525) ; R7.2@619.81,4126.38 619.81,3965 650,3934.81 v1(650,3912) 629.67,3912 625,3907.33 R13.1@625,3873.62 ; v1(1450,1920) 1470,1900 1470,1836.12 U1.92@1492.42,1813.7
  Bottom Layer w6: J1/J3.10@250,3950 295,3905 455,3905 473,3923 552,3923 563,3912 v1(650,3912) ; v1(495,1525) 515,1505 625,1505 630,1510 690,1510 716,1484 829.94,1484 881.94,1432 964.97,1432 979.97,1417 1143,1417 1177,1383 1330,1383 1332,1381 2064,1381 2080,1365 2245,1365 2330,1450 J10.69@2350,1450 ; v1(495,1820) 625,1820 685,1880 765,1880 785,1860 1103.03,1860 1113.03,1870 1259.97,1870 1284.97,1845 1342.12,1845 1417.12,1920 v1(1450,1920)
PB4: J5/J7.23 J10.5 U1.121 | length 4518.2
  Top Layer w6: v1(1185,2215) 1195,2215 1225,2185 1245.7,2185 U1.121@1269.71,2209.01 1269.71,2211.68 1310,2251.97 1310,2252.47 1323,2265.47 1323,2792 1305,2810 1305,2975 1350,3020 v1(1350,3075) ; v1(1905,3095) v1(1905,3700) ; v1(2280,4635) 2285,4635 2288.74,4631.26 2288.74,4521.26 2277,4509.53 2277,4490.47 2278,4489.47 2278,4320.03 2293,4305.03 2293,4230.03 2305,4218.03 2305,3725 2315,3715 v1(2315,3700)
  Bottom Layer w6: J5/J7.23@350,2150 394,2150 411.23,2132.77 1086.87,2132.77 1169.1,2215 v1(1185,2215) ; v1(1350,3075) 1710,3075 1730,3095 v1(1905,3095) ; v1(1905,3700) 2005,3700 2010,3705 2090,3705 2095,3700 v1(2315,3700) ; v1(2280,4635) 2335,4635 J10.5@2350,4650
PB5: J5/J7.24 J10.7 U1.120 | length 4476.9
  Top Layer w6: v1(1180,2155) 1185,2155 1203,2173 1255.97,2173 U1.120@1280.84,2197.88 1305,2222.03 1305,2230 1335,2260 1335,2675 1355,2695 v1(1355,2775) ; v1(2265,4570) 2235,4540 2235,4517 2250,4502 2250,4175 2263,4162 2263,4113.03 2280,4096.03 2280,3725 2275,3720 2275,3675 2280,3670 2280,3415 2290,3405 v1(2290,2800)
  Bottom Layer w6: J5/J7.24@350,2050 356.97,2050 403.74,2096.77 1121.77,2096.77 v1(1180,2155) ; v1(1355,2775) 1375,2775 1395,2755 1553.03,2755 1613.03,2815 2045,2815 2060,2800 v1(2290,2800) ; v1(2265,4570) 2285,4570 2305,4550 J10.7@2350,4550
PC4: J1/J3.3 J10.23 U1.25 | length 4882.9
  Top Layer w6: v1(445,4650) 445,4630 437,4622 437,4260 489,4208 489,3881 v1(505,3865) ; U1.25@840.99,2019.71 760,2100.7 760,2218.79 766,2224.79 766,2647.06 915.48,2796.54 915.48,3004.79 954,3043.31 954,3191.12 942.38,3202.75 942.38,3283.53 915,3310.91 v1(915,3750)
  Bottom Layer w6: J1/J3.3@250,4650 295,4695 385,4695 430,4650 v1(445,4650) ; v1(505,3865) 620,3750 v1(915,3750) 1170,3750 1225,3805 1275,3805 1330,3750 1980,3750 2023,3793 2085,3793 2128,3750 J10.23@2350,3750
PC5: J1/J3.4 J10.21 U1.24 | length 4801.4
  Top Layer w6: v1(465,4595) 465,4260 501,4224 501,3914 v1(515,3900) ; U1.24@852.12,2030.84 772,2110.97 772,2213.82 786,2227.82 786,2650.09 927.48,2791.57 927.48,2999.82 966,3038.34 966,3196.09 954.38,3207.72 954.38,3288.5 936,3306.88 936,3550 940,3554 v1(940,3825)
  Bottom Layer w6: J1/J3.4@250,4550 295,4595 v1(465,4595) ; v1(515,3900) 590,3825 v1(940,3825) 1170,3825 1185,3840 1375,3840 1430,3895 1470,3895 1490,3915 1763,3915 1828,3850 J10.21@2350,3850
PC6: J1/J3.5 J10.19 U1.23 | length 4666.9
  Top Layer w6: v1(490,4390) 490,4260 525,4225 v1(525,3960) ; U1.23@863.26,2041.98 784,2121.24 784,2208.85 798,2222.85 798,2645.12 939.48,2786.6 939.48,2994.85 978,3033.37 978,3201.07 966.38,3212.69 966.38,3293.47 948,3311.85 948,3500 965,3517 v1(965,3930)
  Bottom Layer w6: J1/J3.5@250,4450 295,4405 475,4405 v1(490,4390) ; v1(525,3960) 885,3960 915,3930 v1(965,3930) 1320,3930 1450,4060 1765,4060 1830,3995 2305,3995 J10.19@2350,3950
PC7: J1/J3.8 J10.17 U1.22 | length 4315.3
  Top Layer w6: U1.22@874.4,2053.11 796,2131.51 796,2203.88 810,2217.88 810,2640.15 951.48,2781.63 951.48,2989.88 990,3028.4 990,3206.04 978.38,3217.66 978.38,3298.45 960,3316.82 960,3480 990,3510 v1(990,3965)
  Bottom Layer w6: J1/J3.8@250,4150 300,4100 360,4100 475,3985 910,3985 930,3965 v1(990,3965) 1325,3965 1432,4072 1769.97,4072 1834.97,4007 2307,4007 J10.17@2350,4050
PD0: J2/J4.14 J10.50 U1.1 | length 3339.6
  Top Layer w6: U1.1@1108.24,2286.96 1115,2293.72 1115,2370 1130,2385 v1(1130,2410) ; J2/J4.14@2050,4250 2095,4205 2095,4130 2110,4115 2110,3580 2120,3570 2120,3390 2105,3375 2105,3090 2137,3058 2137,2795.03 2122,2780.03 2122,2627.03 2117,2622.03 2117,2513 v1(2135,2495)
  Bottom Layer w6: v1(1130,2410) 1295,2410 1397.5,2512.5 1502.5,2512.5 1520,2495 v1(2135,2495) 2385,2495 2430,2450 J10.50@2450,2450
PD1: J2/J4.15 J10.48 U1.2 | length 3559.8
  Top Layer w6: v1(1080,2600) 1080,2505 1103,2482 1103,2335 1075,2307 1075,2297.93 U1.2@1097.11,2275.82 ; J2/J4.15@2050,4350 2095,4305 2095,4227.5 2110,4212.5 2110,4135 2125,4120 2125,3585 2135,3575 2135,3380 2117,3362 2117,3095 2149,3063 2149,2790.06 2140,2781.06 v1(2140,2595)
  Bottom Layer w6: v1(1080,2600) 1770,2600 1775,2595 v1(2140,2595) 2405,2595 J10.48@2450,2550
PD2: J5/J7.2 J10.52 U1.3 | length 2491.7
  Top Layer w6: v1(1080,2375) 1080,2330 1063,2313 1063,2287.66 U1.3@1085.97,2264.69
  Bottom Layer w6: J5/J7.2@250,2250 300,2300 380,2300 455,2375 v1(1080,2375) 1130,2375 1150,2395 1300,2395 1404,2499 1470.3,2499 1471.89,2497.4 1497.6,2497.4 1560,2435 2295,2435 2330,2400 2400,2400 J10.52@2450,2350
PD3: J1/J3.7 J10.46 U1.4 | length 4539.6
  Top Layer w6: J1/J3.7@250,4250 307,4193 307,3920 325,3902 v1(325,3715) ; v1(385,3725) 400.99,3709.01 400.99,3600.99 465,3536.97 465,2739.09 572,2632.09 v1(572,2250) ; U1.4@1090,2238.39 1095,2233.39 v1(1095,2205) ; v1(1620,2630) 1620,2320 1622,2318 v1(1622,2265.53)
  Bottom Layer w6: v1(325,3715) 348,3715 358,3725 v1(385,3725) ; v1@570,2250 v1(572,2250) 617,2205 v1(1095,2205) 1127.53,2205 1160.53,2238 1318.47,2238 1325.47,2245 1344.53,2245 1348.34,2241.18 1548.66,2241.18 1573,2265.53 v1(1622,2265.53) ; v1(1620,2630) 1875,2630 1885,2620 2275,2620 2288,2607 2407,2607 J10.46@2450,2650
PD4: J10.40 JP4.3 U1.125 | length 1922.4
  Top Layer w6: U1.125@1225.16,2253.55 1249,2277.39 1249,2682.03 1267,2700.03 1267,2750.97 1255,2762.97 v1(1255,2880)
  Bottom Layer w6: v1(1255,2880) 1280,2880 JP4.3@1350,2950 1400,2900 2010,2900 2025,2915 2075,2915 2085,2905 2405,2905 J10.40@2450,2950
PD5: J10.38 JP5.3 U1.126 | length 2201.6
  Top Layer w6: U1.126@1214.03,2264.69 1237,2287.66 1237,2687 1255,2705 1255,2746 1228.46,2772.54 1228.46,2908.46 v1(1250,2930)
  Bottom Layer w6: JP5.3@1050,2950 1100,2900 1220,2900 v1(1250,2930) 1320,3000 1500,3000 1520,2980 1870,2980 1890,3000 2400,3000 J10.38@2450,3050
PD6: J1/J3.28 J10.44 JP7.2 U1.127 | length 4249.5
  Top Layer w6: v1(1020,4190) 1020,4110 1070,4060 v1(1070,3265) ; U1.127@1202.89,2275.82 1225,2297.93 1225,2720 v1(1230,2725) 1216.46,2738.54 1216.46,3000 1240,3023.54 v1(1240,3055) 1265,3080 v1(1265,3265) JP7.2@1350,3350
  Bottom Layer w6: J1/J3.28@350,4150 390,4190 970,4190 v1(1020,4190) ; v1(1070,3265) v1(1265,3265) ; v1(1230,2725) 1275,2725 1328,2672 1877.5,2672 1887.5,2682 2268,2682 2270,2680 2315,2680 2335,2700 2400,2700 J10.44@2450,2750
PD7: J1/J3.27 J10.42 U1.128 | length 4554.7
  Top Layer w6: J1/J3.27@350,4250 415,4185 415,3933.03 453,3895.03 453,3599.88 512,3540.88 512,2743 644,2611 644,2321 v1(645,2320) ; v1(1180,2360) 1180,2298.72 U1.128@1191.76,2286.96 ; v1(2385,2300) 2395,2310 2395,2765 2450,2820 J10.42@2450,2850
  Bottom Layer w6: v1(645,2320) 1140,2320 v1(1180,2360) 1341.3,2360 1376.3,2325 1460,2325 1540,2405 2225,2405 2330,2300 v1(2385,2300)
PE0: J1/J3.23 J10.14 U1.15 | length 5419.1
  Top Layer w6: J1/J3.23@350,4650 425,4575 425,4250 477,4198 477,3609.82 536,3550.82 536,2789 605,2720 v1(605,2690) ; v1(940,2615) 909,2584 909,2325.09 930,2304.09 930,2153.41 U1.15@952.34,2131.06 ; v1(2410,4615) 2415,4610 2415,4570.88 2410.49,4566.37 2410.49,4565.49 2405,4560 2405,4330 2450,4285 J10.14@2450,4250
  Bottom Layer w6: J1/J3.23@350,4650 405,4650 435,4620 1915,4620 1930,4605 2375,4605 2385,4615 v1(2410,4615) ; v1(605,2690) 680,2615 v1(940,2615)
PE1: J1/J3.24 J10.16 U1.14 | length 5423.9
  Top Layer w6: J1/J3.24@350,4550 410,4490 410,4240 465,4185 465,4070 465,3604.85 524,3545.85 524,2766 v1(570,2720) ; U1.14@963.48,2142.2 942,2163.68 942,2309.06 921,2330.06 921,2556 975,2610 v1(975,2650) ; v1(2390,4585) 2393,4582 2393,4322 2405,4310 2405,4230 2450,4185 J10.16@2450,4150
  Bottom Layer w6: J1/J3.24@350,4550 370,4570 490,4570 513,4593 2382,4593 v1(2390,4585) ; v1(570,2720) 615,2720 685,2650 v1(975,2650)
PE2: J1/J3.25 J10.18 U1.13 | length 4441.7
  Top Layer w6: J1/J3.25@350,4450 397.5,4402.5 397.5,4222.5 440,4180 v1(440,4055) ; U1.13@974.62,2153.33 954,2173.95 954,2314.03 933,2335.03 933,2551.03 999.48,2617.51 999.48,2970 1038,3008.52 1038,3225.92 1032.19,3231.73 1032.19,3907.81 1015,3925 v1(1015,4010)
  Bottom Layer w6: v1(440,4055) 485,4010 v1(1015,4010) 1345,4010 1419,4084 1904,4084 1915,4095 2405,4095 J10.18@2450,4050
PE3: J1/J3.26 J10.20 U1.12 | length 4625.3
  Top Layer w6: U1.12@985.75,2164.47 966,2184.22 966,2319 945,2340 945,2546.06 1011.48,2612.54 1011.48,2735 1095,2818.52 1095,2970 1050,3015 1050,3230.89 1044.19,3236.7 1044.19,4055.81 992,4108 992,4238 v1(990,4240) ; v1(1675,4025) v1(1675,4240)
  Bottom Layer w6: J1/J3.26@350,4350 405,4350 515,4240 v1(990,4240) v1(1675,4240) ; v1(1675,4025) 1677.53,4025 1720.53,3982 1834.97,3982 1909.97,3907 2407,3907 J10.20@2450,3950
PE4: J1/J3.2 J10.22 U1.123 | length 5115.3
  Top Layer w6: U1.123@1247.44,2231.28 1273,2256.85 1273,2670.03 1290,2687.03 1290,2688.09 1291,2689.09 1291,2990 1325,3024 v1(1325,3100) ; v1(1505,3105) 1533.11,3133.11 1533.11,3940 1540,3946.89 v1(1540,3970) ; v1(1700,3970) 1700,4640 1705,4645 v1(1705,4675)
  Bottom Layer w6: J1/J3.2@250,4750 290,4710 400,4710 435,4675 v1(1705,4675) ; v1(1325,3100) 1460,3100 1465,3105 v1(1505,3105) ; v1(1540,3970) v1(1700,3970) 1830,3970 1905,3895 2405,3895 J10.22@2450,3850
PE5: J1/J3.6 J10.24 U1.124 | length 4397.3
  Top Layer w6: U1.124@1236.3,2242.42 1261,2267.12 1261,2675 1278,2692 1278,2693.06 1279,2694.06 1279,2755.94 1278,2756.94 1278,3008 1300,3030 1300,3195 1408,3303 1408,3517 1338,3587 1338,3778 v1(1340,3780) v1(1340,4215)
  Bottom Layer w6: J1/J3.6@250,4350 300,4300 400,4300 485,4215 v1(1340,4215) ; v1(1340,3780) 1355,3765 1973,3765 2013,3805 2375,3805 2385,3815 2407.53,3815 2450,3772.53 J10.24@2450,3750
PF0: D4.1 J10.66 U1.42 | length 2589.2
  Top Layer w6: v1(740,1630) 830,1720 830,1724.76 U1.42@863.26,1758.02 ; v1(1855,1545) 1855,1360 v1(1875,1340) ; v1(2210,1590) 2210,1565 2220,1555 v1(2220,1300) 2250,1300 2260,1290 2260,1250.47 D4.1@2259.53,1250
  Bottom Layer w6: v1(740,1630) 800,1630 855,1575 1046.28,1575 1063.7,1557.58 1164.58,1557.58 1176,1569 1447.41,1569 1467.41,1589 1557.06,1589 1620.06,1526 1836,1526 v1(1855,1545) ; v1(1875,1340) 1893,1340 1900,1333 2187,1333 v1(2220,1300) ; v1(2210,1590) 2230,1590 2240,1600 2400,1600 J10.66@2450,1650
PF1: J2/J4.40 J10.68 U1.43 | length 5793.8
  Top Layer w6: U1.43@874.4,1746.89 915,1787.49 v1(915,1825) ; v1(1115,1795) 1102,1808 1102,1845 1115,1858 1115,2131.03 1132,2148.03 1132,2207 1145,2220 1145,2376.97 1192.46,2424.44 1192.46,3565 1185,3572.46 v1(1185,3605) ; v1(1655,1850) 1655,1845 1666,1834 1666,1765.21 1700,1731.21 1700,1510 1710,1500 v1(1725,1500) ; v1(1770,3635) 1770,3655 1755,3670 1755,3840 1725,3870 1725,4003.03 1713,4015.03 1713,4613 J2/J4.40@1950,4850
  Bottom Layer w6: v1(915,1825) 944,1796 1114,1796 v1(1115,1795) 1117,1797 1362,1797 1415,1850 v1(1655,1850) ; v1(1185,3605) 1380,3605 1400,3625 1760,3625 v1(1770,3635) ; v1(1725,1500) 1745.61,1500 1750.61,1505 2300,1505 2300.12,1505.12 2405.12,1505.12 J10.68@2450,1550
PF2: J2/J4.39 J10.70 U1.44 | length 5684.3
  Top Layer w6: U1.44@885.53,1735.75 955,1805.22 v1(955,1825) ; v1(1125,1830) 1127,1832 1127,2126.06 1144,2143.06 1144,2202.03 1157,2215.03 1157,2372 1204.46,2419.46 1204.46,3020 1208,3023.54 1208,3702 1195,3715 v1(1195,3815) ; v1(1750,3890) 1750,3995 1725,4020 1725,4567.5 1907.5,4750 J2/J4.39@1950,4750 ; v1(2125,1475) 2165,1515 v1(2165,1740)
  Bottom Layer w6: v1(955,1825) 985,1825 990,1830 v1(1125,1830) 1145,1830 1166,1809 1357.03,1809 1421.03,1873 1852,1873 1915,1810 1975,1810 1990,1825 2007.53,1825 2022.53,1810 2100,1810 2165,1745 v1(2165,1740) ; v1(1195,3815) 1197,3817 1279.97,3817 1291.97,3805 1665,3805 v1(1750,3890) ; v1@2115,1475 v1(2125,1475) 2310,1475 2325,1490 2410,1490 J10.70@2450,1450
PF3: J2/J4.38 J10.72 U1.45 | length 6447.5
  Top Layer w6: v1(585,3615) 585,3595 574,3584 574,2801.91 652,2723.91 652,2653.91 680,2625.91 680,2467.47 694,2453.47 694,1942.06 720,1916.06 v1(720,1855) ; U1.45@896.67,1724.62 932.05,1760 v1(945,1760) ; v1(1135,1350) 1135,1439.58 1152,1456.58 1152,1497 1160,1505 v1(1160,1770) ; v1(1780,3685) 1780,3883.03 1773,3890.03 1773,4473 J2/J4.38@1950,4650
  Bottom Layer w6: v1(585,3615) 607,3637 1732,3637 v1(1780,3685) ; v1(720,1855) 815,1760 v1(945,1760) 969,1784 1084.94,1784 1098.94,1770 v1(1160,1770) ; v1(1135,1350) 1150,1365 1885,1365 1905,1345 2275,1345 2325,1395 2405,1395 J10.72@2450,1350